# Altium PCB STM32F7_CoreBoard.PcbDoc (part 1 of 8) (continued)
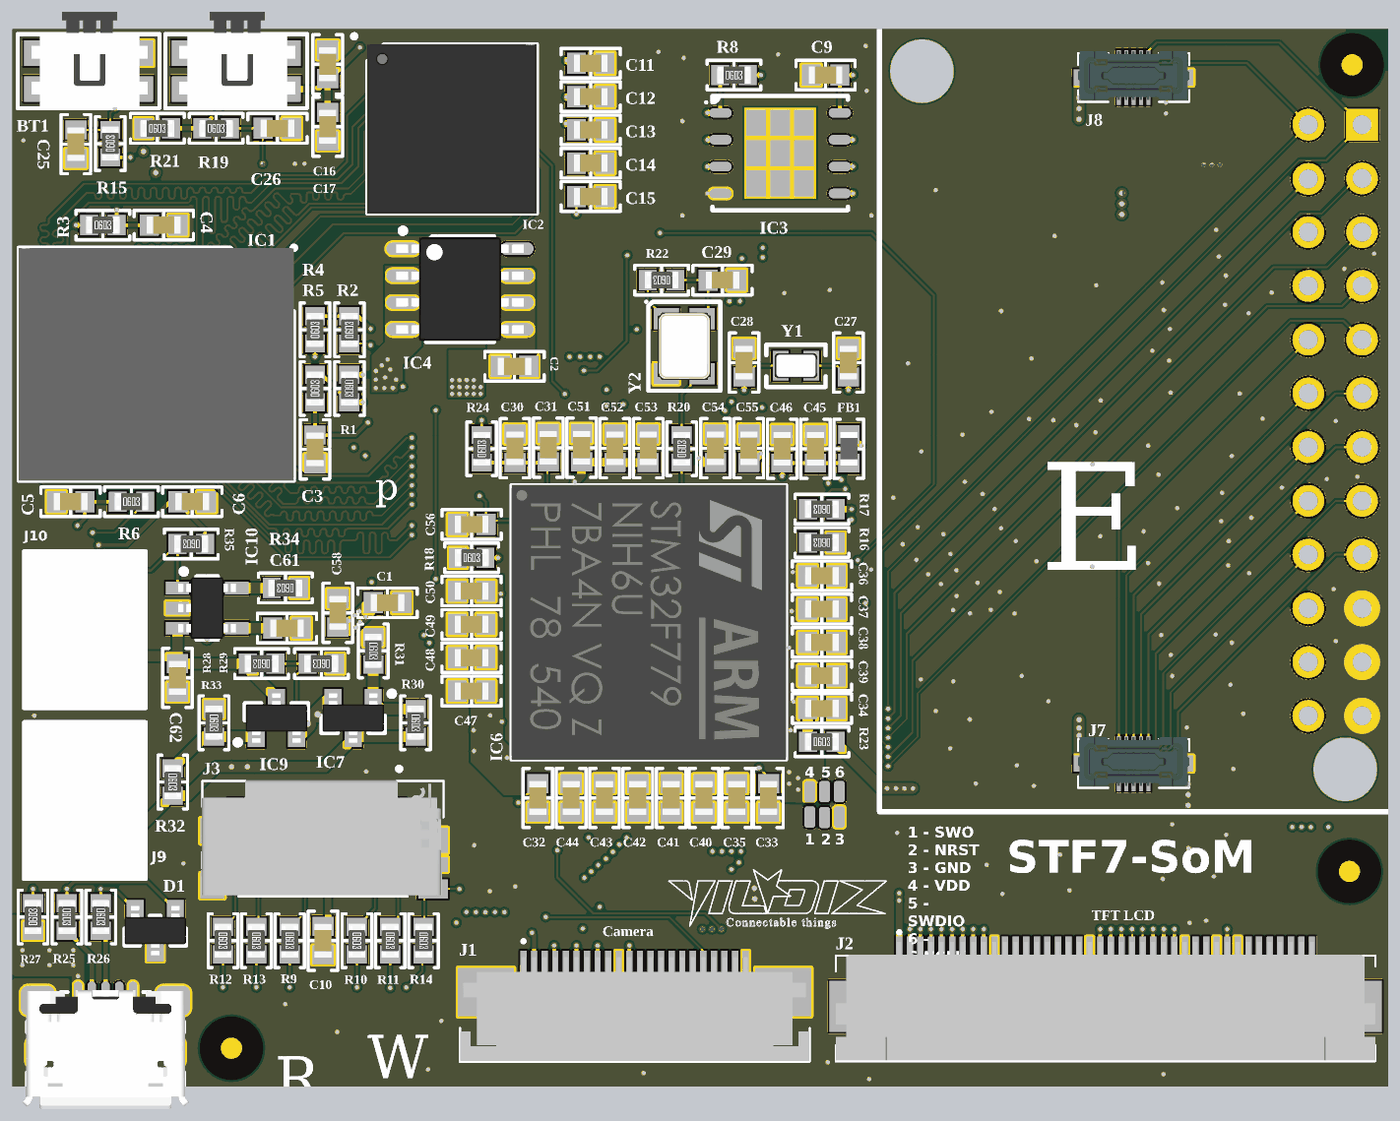
[diagram p13: 3D render of the assembled board from above, using the file's embedded part models]
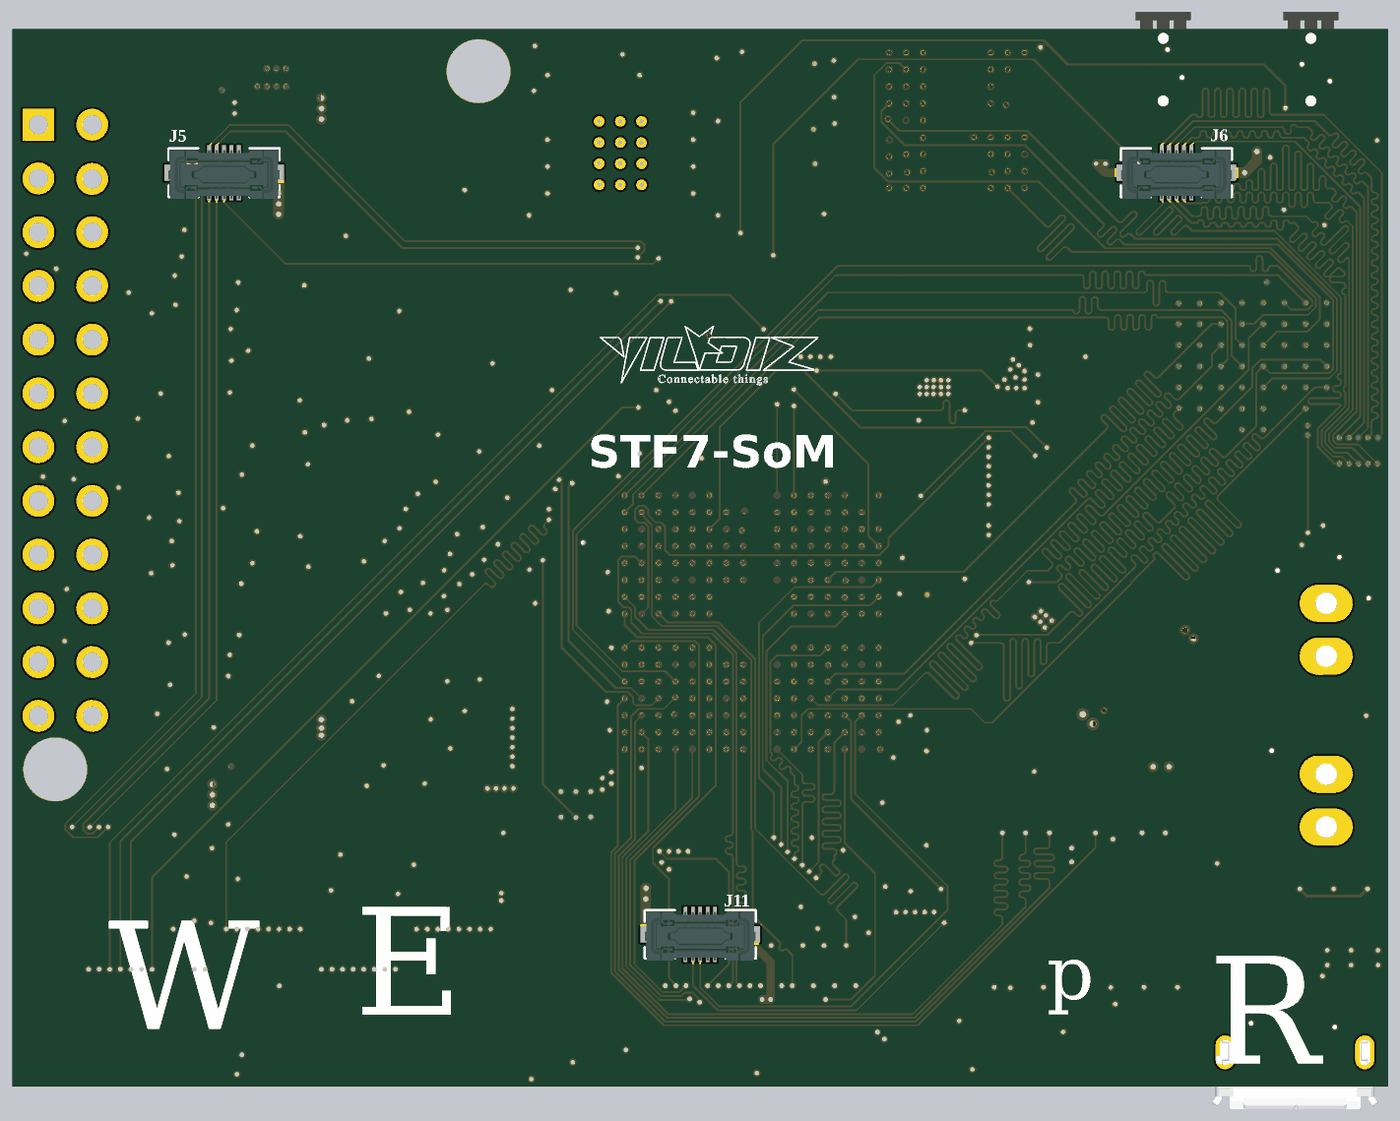
[diagram p14: 3D render of the assembled board from below, using the file's embedded part models]

## Layer stack, top to bottom
Top Solder: solder mask 0.0102, Solder Resist, Dk 3.5
L1: signal copper 0.035
Dielectric 2: prepreg 0.1, 2313, Dk 4.05
L2: signal copper 0.0175
Dielectric 4: core 0.565, Core-037, Dk 4.8
L3: signal copper 0.0175
Dielectric 1: prepreg 0.127, 2116, Dk 4.25
L4: signal copper 0.0175
Dielectric 5: core 0.565, Core-037, Dk 4.8
L5: signal copper 0.0175
Dielectric 3: prepreg 0.1, 2313, Dk 4.05
L6: signal copper 0.035
Bottom Solder: solder mask 0.0102, Solder Resist, Dk 3.5

## Board outline
0,0 65,0 65,50 0,50

## Design rules (kind name [scope] priority, off if disabled: settings)
Clearance [All] p1: gap=0.089 ignorepadtopadclearanceinfootprint=FALSE
ComponentClearance [All] p1: gap=0 collisioncheckmode=3 verticalgap=0 showdistances=FALSE
DiffPairsRouting USB_FS [InDifferentialPairClass('USB_FS')] p1: maxlimit=0.127 minlimit=0.127 mostfreqgap=0.127 toplayer_minwidth=0.146 toplayer_maxwidth=0.146 toplayer_prefwidth=0.146 midlayer1_minwidth=0.096 midlayer1_maxwidth=0.096 midlayer1_prefwidth=0.096 midlayer2_minwidth=0.108 midlayer2_maxwidth=0.108 midlayer2_prefwidth=0.108 midlayer3_minwidth=0.108 midlayer3_maxwidth=0.108 midlayer3_prefwidth=0.108 midlayer4_minwidth=0.096 midlayer4_maxwidth=0.096 midlayer4_prefwidth=0.096 bottomlayer_minwidth=0.146 bottomlayer_maxwidth=0.146 bottomlayer_prefwidth=0.146 impedanceprofiledriven=TRUE maxuncoupledlength=12.7
DiffPairsRouting [All] p2: maxlimit=0.254 minlimit=0.254 mostfreqgap=0.254 toplayer_minwidth=0.381 toplayer_maxwidth=0.381 toplayer_prefwidth=0.381 midlayer1_minwidth=0.381 midlayer1_maxwidth=0.381 midlayer1_prefwidth=0.381 midlayer2_minwidth=0.381 midlayer2_maxwidth=0.381 midlayer2_prefwidth=0.381 midlayer3_minwidth=0.381 midlayer3_maxwidth=0.381 midlayer3_prefwidth=0.381 midlayer4_minwidth=0.381 midlayer4_maxwidth=0.381 midlayer4_prefwidth=0.381 bottomlayer_minwidth=0.381 bottomlayer_maxwidth=0.381 bottomlayer_prefwidth=0.381 maxuncoupledlength=12.7
FanoutControl Fanout_BGA [IsBGA] p1: bgadir=Out bgaviamode=Centered fanoutstyle=BGA fanoutdirection=Alternating viagrid=0.025 // Fanout_BGA (Default Rule)
MatchedLengths "Schematic Matched Net Lengths_3" [InNetClass('DATA')] p1: tolerance=2.54 checknetsindiffpair=FALSE checkdiffpairvsdiffpair=TRUE checkxsignals=TRUE checkothers=TRUE
MatchedLengths "Schematic Matched Net Lengths" [InNetClass('uSD')] p2: tolerance=2.54 checknetsindiffpair=FALSE checkdiffpairvsdiffpair=TRUE checkxsignals=TRUE checkothers=TRUE
MatchedLengths "Schematic Matched Net Lengths_2" [InNetClass('DCMI')] p3: tolerance=2.54 checknetsindiffpair=FALSE checkdiffpairvsdiffpair=TRUE checkxsignals=TRUE checkothers=TRUE
MatchedLengths "Schematic Matched Net Lengths_1" [InNetClass('ETHERNET')] p4: tolerance=2.54 checknetsindiffpair=FALSE checkdiffpairvsdiffpair=TRUE checkxsignals=TRUE checkothers=TRUE
MatchedLengths LENMATCH_FLASH [InNetClass('FLASH')] p5: tolerance=2.54 checknetsindiffpair=FALSE checkdiffpairvsdiffpair=TRUE checkxsignals=TRUE checkothers=TRUE
MatchedLengths LENMATCH_MEMORY [InNetClass('ADDRESS')] p6: tolerance=2.54 checknetsindiffpair=FALSE checkdiffpairvsdiffpair=TRUE checkxsignals=TRUE checkothers=TRUE
MatchedLengths LENMATCH_USBFS [InNetClass('USB_FS')] p7: tolerance=2.54 checknetsindiffpair=TRUE checkdiffpairvsdiffpair=FALSE checkxsignals=FALSE checkothers=FALSE
MatchedLengths LENMATCH_LCD [InNetClass('LCD')] p8: tolerance=2.54 checknetsindiffpair=FALSE checkdiffpairvsdiffpair=TRUE checkxsignals=TRUE checkothers=TRUE
MatchedLengths LENMATCH_SDRAM [InNetClass('SDRAM')] p9: tolerance=2.54 checknetsindiffpair=FALSE checkdiffpairvsdiffpair=TRUE checkxsignals=TRUE checkothers=TRUE
MatchedLengths LENMATCH_QSPI [InNetClass('QSPI')] p10: tolerance=2.54 checknetsindiffpair=FALSE checkdiffpairvsdiffpair=TRUE checkxsignals=TRUE checkothers=TRUE
PlaneConnect [All] p1: planeconnectstyle=Direct reliefexpansion=0.508 reliefentries=4 reliefconductorwidth=0.254 reliefairgap=0.254
PolygonConnect [All] p1: connectstyle=Direct reliefconductorwidth=0.254 reliefentries=4 polygonreliefangle="90 Angle" airgapwidth=0.254
RoomDefinition RD_IC2 [InComponentClass('Room Definition 3')] p1: confinementstyle=ConfineIn formatcopy=TRUE lockcomponents=TRUE outline 15.55,40.075 15.55,50.4 26,50.4 26,40.075 // SDRAM
RoomDefinition RD_IC1 [InComponentClass('Room Definition 2')] p2: confinementstyle=ConfineIn formatcopy=TRUE lockcomponents=TRUE outline -2,26.45 -2,41.875 15.525,41.875 15.525,26.45 // FLASH
RoomDefinition RD_IC6 [InComponentClass('Room Definition 1')] p3: confinementstyle=ConfineIn formatcopy=TRUE lockcomponents=TRUE outline 23.075,15.075 23.075,28.725 36.8,28.725 36.8,15.075 // MCU
RoutingVias [All] p1: holewidth=0.2 width=0.35 viastyle="Through Hole" minholewidth=0.2 minwidth=0.35 maxholewidth=6.3 maxwidth=10
SolderMaskExpansion [All] p1: expansion=0.102
Width [All] p1: maxlimit=5 minlimit=0.089 preferedwidth=0.089
26 further rules are at their usual default settings.

## Classes and differential pairs
net class DATA: D0 D1 D2 D3 D4 D5 D6 D7 D8 D9 D10 D11 D12 D13 D14 D15
net class WiFi: WiFi_CTS WiFi_IRQ WiFi_MISO WiFi_MOSI WiFi_PWE WiFi_RTS WiFi_RX WiFi_SCL WiFi_TX
net class uSD: SD_CLK SD_CMD SD_D0 SD_D1 SD_D2 SD_D3 SD_DETECT
net class GSM: GSM_CTS GSM_DCD GSM_DTR GSM_PWE GSM_RI GSM_RST GSM_RTS GSM_RX GSM_TX
net class EXP: EXP_GPIO0 EXP_GPIO1 EXP_GPIO2 EXP_GPIO3 EXP_GPIO4
net class COMM: CAN_RX CAN_TX EXP_SCL EXP_SDA RS485_DE RS485_RX RS485_TX
net class ETHERNET: RMII_CRS_DV RMII_MDC RMII_MDIO RMII_REF_CLK RMII_RXD0 RMII_RXD1 RMII_RXER RMII_TX_EN RMII_TXD0 RMII_TXD1
net class SDRAM: FMC_SDCKE0 FMC_SDCLK FMC_SDNCAS FMC_SDNE0 FMC_SDNRAS FMC_SDNWE
net class FLASH: FMC_NE1 FMC_NOE FMC_NWAIT FMC_NWE
differential pair class USB_FS: USB_HS_DM
net class USB_FS: USB_HS_DM USB_HS_DM_P
component class STM32F7_BaseBoard: Fid1 Fid2 Fid3 Logo1 Logo2
net class QSPI: QSPI_CLK QSPI_D0 QSPI_D1 QSPI_D2 QSPI_D3 QSPI_NCS
net class ADDRESS: A0 A1 A2 A3 A4 A5 A6 A7 A8 A9 A10 A11 A12 A13 A14 A15 A16 A17 A18 A19 A20 A21 FMC_A22 FMC_A23 FMC_A24 FMC_A25
net class LCD: B0 B1 B2 B3 B4 B5 B6 B7 G0 G1 G2 G3 G4 G5 G6 G7 LCD_CLK LCD_HSYNC LCD_R0 LCD_R1 LCD_R2 LCD_R3 LCD_R4 LCD_R5 LCD_R6 LCD_R7 LCD_VSYNC
net class DCMI: CAMERA_LIGHT CAMERA_MISO CAMERA_MOSI CAMERA_SCL DCMI_D0 DCMI_D1 DCMI_D2 DCMI_D3 DCMI_D4 DCMI_D5 DCMI_D6 DCMI_D7 DCMI_HSYNC DCMI_NRST DCMI_PIXCK DCMI_PWREN DCMI_SCK DCMI_SDA DCMI_VSYNC
net class LCD_R[0..7]: LCD_R0 LCD_R1 LCD_R2 LCD_R3 LCD_R4 LCD_R5 LCD_R6 LCD_R7
net class G[0..7]: G0 G1 G2 G3 G4 G5 G6 G7
net class B[0..7]: B0 B1 B2 B3 B4 B5 B6 B7
net class DCMI_D[0..7]: DCMI_D0 DCMI_D1 DCMI_D2 DCMI_D3 DCMI_D4 DCMI_D5 DCMI_D6 DCMI_D7
net class D[0..15]: D0 D1 D2 D3 D4 D5 D6 D7 D8 D9 D10 D11 D12 D13 D14 D15
net class A[0..21]: A0 A1 A2 A3 A4 A5 A6 A7 A8 A9 A10 A11 A12 A13 A14 A15 A16 A17 A18 A19 A20 A21
component class U_USB: D1 R25 R26 R27 µUSB1 µUSB?
component class "U_SDRAM 1": C11 C12 C13 C14 C15 C16 C17 IC4
component class U_Connections: J5 J6 J7 J8 J11
component class U_STM32F7: BT1 BT2 C25 C26 C27 C28 C29 C30 C31 C32 C33 C34 C35 C36 C37 C38 C39 C40 C41 C42 C43 C44 C45 C46 C47 C48 C49 C50 C51 C52 C53 C54 C55 FB1 IC6 R15 R16 R17 R18 R19 R20 R21 R22 R23 R24 Y1 Y2
component class "U_SD Card": C10 J3 R9 R10 R11 R12 R13 R14
component class "U_QSPI FLASH": C9 IC3 R8
component class U_Power: C1 C2 C56 C58 C61 C62 IC2 IC7 IC9 IC10 J9 J10 R28 R29 R30 R31 R32 R33 R34 R35
component class U_LCD: J2
component class "U_Paralel NOR FLASH": C3 C4 C5 C6 IC1 R1 R2 R3 R4 R5 R6
component class U_Camera: J1
differential pair USB_HS_DM: +USB_HS_DM_P -USB_HS_DM

## Components (designator, comment, footprint, x,y, rotation, side; value= is the part's Value field where it differs from the comment)
BT1 "#NAME?" TactileButton 5.75,47.15 r180 top
BT2 "#NAME?" TactileButton 12.725,47.15 r180 top
C1 "10uF" "CAP 0603/1608" 17.725,22.875 r180 top
C2 "10uF" "CAP 0603/1608" 23.725,34.05 r180 top
C3 "100nF" "CAP 0603/1608" 14.3,30.125 r270 top
C4 "100nF" "CAP 0603/1608" 7.15,40.725 r0 top
C5 "100nF" "CAP 0603/1608" 2.75,27.65 r180 top
C6 "100nF" "CAP 0603/1608" 8.5,27.65 r0 top
C9 "100nF" "CAP 0603/1608" 38.42,47.815 r180 top
C10 "100nF" "CAP 0603/1608" 14.675,6.9 r90 top
C11 "100nF" "CAP 0603/1608" 27.325,48.375 r0 top
C12 "100nF" "CAP 0603/1608" 27.325,46.8 r0 top
C13 "100nF" "CAP 0603/1608" 27.325,45.225 r0 top
C14 "100nF" "CAP 0603/1608" 27.325,43.65 r0 top
C15 "100nF" "CAP 0603/1608" 27.325,42.075 r0 top
C16 "100nF" "CAP 0603/1608" 14.9,48.325 r90 top
C17 "100nF" "CAP 0603/1608" 14.9,45.375 r270 top
C25 "100nF" "CAP 0603/1608" 3,44.55 r90 top
C26 "100nF" "CAP 0603/1608" 12.525,45.3 r180 top
C27 "15pF" "CAP 0603/1608" 39.5,34.225 r270 top
C28 "15pF" "CAP 0603/1608" 34.573,34.225 r270 top
C29 "100nF" "CAP 0603/1608" 33.55,38.125 r180 top
C30 "1uF" "CAP 0603/1608" 23.745,30.177 r270 top
C31 "100nF" "CAP 0603/1608" 25.32,30.202 r270 top
C32 "2.2uF" "CAP 0603/1608" 24.825,13.65 r90 top
C33 "2.2uF" "CAP 0603/1608" 35.725,13.65 r90 top
C34 "4.7uF" "CAP 0603/1608" 38.25,17.875 r180 top
C35 "4.7uF" "CAP 0603/1608" 34.225,13.65 r90 top
C36 "100nF" "CAP 0603/1608" 38.25,24.15 r180 top
C37 "100nF" "CAP 0603/1608" 38.25,22.575 r180 top
C38 "100nF" "CAP 0603/1608" 38.25,21 r180 top
C39 "100nF" "CAP 0603/1608" 38.25,19.425 r180 top
C40 "100nF" "CAP 0603/1608" 32.675,13.65 r90 top
C41 "100nF" "CAP 0603/1608" 31.125,13.65 r90 top
C42 "100nF" "CAP 0603/1608" 29.55,13.65 r90 top
C43 "100nF" "CAP 0603/1608" 27.975,13.65 r90 top
C44 "100nF" "CAP 0603/1608" 26.4,13.65 r90 top
C45 "1uF" "CAP 0603/1608" 37.945,30.152 r270 top
C46 "100nF" "CAP 0603/1608" 36.37,30.152 r270 top
C47 "100nF" "CAP 0603/1608" 21.695,18.702 r0 top
C48 "100nF" "CAP 0603/1608" 21.695,20.277 r0 top
C49 "100nF" "CAP 0603/1608" 21.695,21.852 r0 top
C50 "100nF" "CAP 0603/1608" 21.695,23.427 r0 top
C51 "100nF" "CAP 0603/1608" 26.895,30.202 r270 top
C52 "100nF" "CAP 0603/1608" 28.47,30.177 r270 top
C53 "100nF" "CAP 0603/1608" 30.045,30.177 r270 top
C54 "100nF" "CAP 0603/1608" 33.22,30.177 r270 top
C55 "100nF" "CAP 0603/1608" 34.795,30.177 r270 top
C56 "10nF" "CAP 0603/1608" 21.7,26.575 r0 top
C58 "4.7uF" "CAP 0603/1608" 15.375,22.4 r270 top
C61 "10uF" "CAP 0603/1608" 12.975,21.675 r180 top
C62 "10uF" "CAP 0603/1608" 7.8,19.325 r90 top
D1 "#NAME?" "ON SEMI SOT-23-3" 6.75,7.375 r270 top
FB1 "#NAME?" "FER 0603/1608" 39.52,30.152 r90 top
Fid1 "Fiducial mark" Fiducial 63.3,48.3 r0 top
Fid2 "Fiducial mark" Fiducial 63.175,10.175 r90 top
Fid3 "Fiducial mark" Fiducial 10.35,1.82 r90 top
IC1 "#NAME?" "MICRON LBGA-64 11X13mm" 6.8,34.15 r270 top locked
IC2 "AP7362" "DIODES SO-8-EP" 21.15,37.7 r0 top
IC3 "#NAME?" "WINBOND WSON-8 6x5mm" 36.275,44.125 r0 top
IC4 "#NAME?" "MICRON VFBGA-54 8X14MM" 20.775,45.275 r0 top locked
IC6 "#NAME?" "ST TFBGA-216 13x13 0.8mm" 30.07,21.952 r270 top locked
IC7 "#NAME?" "INFINEON SOT-23-3" 16.1,17.425 r270 top
IC9 "#NAME?" "INFINEON SOT-23-3" 12.475,17.425 r90 top
IC10 "#NAME?" "MICROCHIP SOT-23-5 OT" 9.2,22.625 r0 top
J1 "#NAME?" fpc-22 29.4,5.1 r0 top locked
J2 "#NAME?" fpc-40 51.625,3.825 r180 top locked
J3 "#NAME?" "Molex - 0475710001" 14.675,11.725 r0 top locked
J5 "#NAME?" "HIROSE BM2410DS" 55,43.2 r180 bottom locked
J6 "#NAME?" "HIROSE BM2410DS" 10,43.2 r180 bottom locked
J7 "#NAME?" "HIROSE BM2410DS" 52.975,15.275 r180 top locked
J8 "#NAME?" "HIROSE BM2410DS" 52.975,47.7 r180 top locked
J9 "2 Pin" "JST XH B2B-XH-A" 2.925,13.525 r90 top
J10 "2 Pin" "JST XH B2B-XH-A" 2.925,21.6 r90 top
J11 "#NAME?" "HIROSE BM2410DS" 32.5,7.2 r180 bottom locked
Logo1 "Logo symbol" LOGO_YILDIZIOT 30.99,9.74 r0 top
Logo2 "Logo symbol" LOGO_YILDIZIOT 37.24,35.42 r180 bottom
R1 "10kR" "RES 0603/1608" 15.925,33 r270 top
R2 "10kR" "RES 0603/1608" 15.925,35.775 r90 top
R3 "10kR" "RES 0603/1608" 4.275,40.725 r0 top
R4 "10kR" "RES 0603/1608" 14.3,35.775 r90 top
R5 "10kR" "RES 0603/1608" 14.3,33 r90 top
R6 "10kR" "RES 0603/1608" 5.625,27.65 r0 top
R8 "10kR" "RES 0603/1608" 34.095,47.815 r0 top
R9 "4.7kR" "RES 0603/1608" 13.1,6.9 r270 top
R10 "4.7kR" "RES 0603/1608" 16.275,6.9 r270 top
R11 "4.7kR" "RES 0603/1608" 17.85,6.9 r270 top
R12 "4.7kR" "RES 0603/1608" 9.95,6.9 r270 top
R13 "4.7kR" "RES 0603/1608" 11.525,6.9 r270 top
R14 "10kR" "RES 0603/1608" 19.425,6.9 r270 top
R15 "10kR" "RES 0603/1608" 4.625,44.575 r90 top
R16 "10kR" "RES 0603/1608" 38.25,25.725 r180 top
R17 "10kR" "RES 0603/1608" 38.25,27.3 r180 top
R18 "10kR" "RES 0603/1608" 21.7,25 r0 top
R19 "10kR" "RES 0603/1608" 9.625,45.3 r0 top
R20 "100R" "RES 0603/1608" 31.62,30.152 r90 top
R21 "10kR" "RES 0603/1608" 6.85,45.3 r0 top
R22 "10kR" "RES 0603/1608" 30.675,38.125 r180 top
R23 "0mR" "RES 0603/1608" 38.25,16.3 r0 top
R24 "0mR" "RES 0603/1608" 22.17,30.152 r90 top
R25 "20R" "RES 0603/1608" 2.575,8.025 r270 top
R26 "20R" "RES 0603/1608" 4.175,8.025 r270 top
R27 "4.7kR" "RES 0603/1608" 0.975,8.025 r90 top
R28 "30MR" "RES 0603/1608" 11.775,20 r180 top
R29 "30MR" "RES 0603/1608" 14.6,20 r180 top
R30 "10kR" "RES 0603/1608" 19.05,17.2 r270 top
R31 "10kR" "RES 0603/1608" 17.05,20.6 r270 top
R32 "10kR" "RES 0603/1608" 7.575,14.4 r270 top
R33 "10kR" "RES 0603/1608" 9.525,17.2 r270 top
R34 "1kR" "RES 0603/1608" 12.9,23.575 r180 top
R35 "10kR" "RES 0603/1608" 8.45,25.65 r180 top
Y1 "32.768kHz" "ABRACON ABS06" 37.023,34.075 r0 top
Y2 "24MHz" "Abracon ASTX-11" 31.748,35 r270 top
µUSB1 "USB Micro" "FCI USB 10118193-0001LF" 4.4,1.675 r180 top locked

## Footprints (in the part's own frame and the unit in brackets; to place one, negate y for a bottom-side part, rotate by r counter-clockwise, add the part's x,y. Pads: shape width x height; smd on the part's side, far side on the other; paste and mask are expansions set on the pad)
"ABRACON ABS06" [mm] "Crystal, 2-Leads, Body 1.20x2.00mm, Pitch 1.50mm, IPC Medium Density"
  rect 0.75x1.4 smd: 1(-0.725,0) 2(0.725,0)
  silkscreen extent -1.4,-1 1.4,1, body extent -1.02,-0.62 1.03,0.63, height 0.6
"Abracon ASTX-11" [mm] "Crystal, 4-Leads, Body 2.50x3.20mm, Pitch 2.38mm, IPC Medium Density"
  rect 1x1.2 smd: 1(-1.3,-0.85) 2(1.3,-0.85) 3(1.3,0.85) 4(-1.3,0.85)
  silkscreen extent -2.15,-1.85 2.1,1.7, body extent -1.61,-1.26 1.61,1.26, height 0.9
"CAP 0603/1608" [mm] "Chip Capacitor, 2-Leads, Body 1.60x0.80mm, IPC Medium Density"
  rect 0.9x1 smd: 1(-0.675,0) 2(0.675,0)
  silkscreen extent -1.4,-0.7 1.4,0.7, body extent -0.8,-0.41 0.8,0.41, height 0.82
"DIODES SO-8-EP" [mm] "SOIC, 8-Leads, Body 4.90x3.90mm, Pitch 1.27mm, IPC Medium Density"
  oval 1.55x0.6 smd: 1(-2.7,1.905) 2(-2.7,0.635) 3(-2.7,-0.635) 4(-2.7,-1.905) 5(2.7,-1.905) 6(2.7,-0.635) 7(2.7,0.635) 8(2.7,1.905)
  rrect50% 2.4x5 smd: EP(0,0)
  silkscreen extent -2.82,-2.5 1.6,2.88, body extent -3.01,-2.45 3.01,2.45, height 1.5
"FCI USB 10118193-0001LF" [mm] "USB 2.0 Type B Micro"
  oval 0.4x1.35 smd: 1(1.3,-2.625) 2(0.65,-2.625) 3(0,-2.625) 4(-0.65,-2.625) 5(-1.3,-2.625)
  oval 0.9x1.6 hole 0.5 slot 1.2 at 90 deg: S(-3.3,0.05) S(3.3,0.05)
  rrect50% 1.6x1.4 smd: S(-3.2,-2.4) S(3.2,-2.4)
  rect 1.9x1.8 smd: S(-1.2,0.05) S(1.2,0.05)
  silkscreen extent -3.7,-2.8 3.7,2.8, body extent -3.93,-2.9 3.93,2.76, height 2.78
"FER 0603/1608" [mm] "Chip Ferrite, 2-Leads, Body 1.60x0.80mm, IPC Medium Density"
  rect 0.9x1 smd: 1(-0.675,0) 2(0.675,0)
  silkscreen extent -1.4,-0.7 1.4,0.7, body extent -0.8,-0.41 0.8,0.41, height 0.82
Fiducial [mm] "Electrolitic Radial Capacitor, 5mm pin space, 0.8mm Hole, 10.1mm diametre, 15.2 height"
  L1 circle w1: c0,0 r0
  L1 keep-out circle w0.01: c0,0 r1.5
fpc-22 [mm] "SFV22R-2STE1HLF"
  rect 0.3x1.4 smd: 1(-5.25,0.625) 2(-4.75,0.625) 3(-4.25,0.625) 4(-3.75,0.625) 5(-3.25,0.625) 6(-2.75,0.625) 7(-2.25,0.625) 8(-1.75,0.625) 9(-1.25,0.625) 10(-0.75,0.625) 11(-0.25,0.625) 12(0.25,0.625) 13(0.75,0.625) 14(1.25,0.625) 15(1.75,0.625) 16(2.25,0.625) 17(2.75,0.625) 18(3.25,0.625) 19(3.75,0.625) 20(4.25,0.625) 21(4.75,0.625) 22(5.25,0.625)
  rect 2.65x2.3 smd: MP1(-7.025,-0.625) MP2(7.025,-0.625)
  silkscreen extent -8.25,-3.93 8.27,1.82, body extent -8.25,-3.87 8.25,1.03, height 1.82
fpc-40 [mm] "40 way 0.5 pitch FPC Connector"
  rect 0.3x1.2 smd: 1(9.725,-2.675) 2(9.225,-2.675) 3(8.725,-2.675) 4(8.225,-2.675) 5(7.725,-2.675) 6(7.225,-2.675) 7(6.725,-2.675) 8(6.225,-2.675) 9(5.725,-2.675) 10(5.225,-2.675) 11(4.725,-2.675) 12(4.225,-2.675) 13(3.725,-2.675) 14(3.225,-2.675) 15(2.725,-2.675) 16(2.225,-2.675) 17(1.725,-2.675) 18(1.225,-2.675) 19(0.725,-2.675) 20(0.225,-2.675) 21(-0.275,-2.675) 22(-0.775,-2.675) 23(-1.275,-2.675) 24(-1.775,-2.675) 25(-2.275,-2.675) 26(-2.775,-2.675) 27(-3.275,-2.675) 28(-3.775,-2.675) 29(-4.275,-2.675) 30(-4.775,-2.675) 31(-5.275,-2.675) 32(-5.775,-2.675) 33(-6.275,-2.675) 34(-6.775,-2.675) 35(-7.275,-2.675) 36(-7.775,-2.675) 37(-8.275,-2.675) 38(-8.775,-2.675) 39(-9.275,-2.675) 40(-9.775,-2.675)
  rect 2.4x2.4 smd: MP1(11.825,0.025) MP2(-11.875,0.025)
  silkscreen extent -12.77,-3.52 12.73,2.62, body extent -12.77,-3.03 12.72,2.58, height 2
"HIROSE BM2410DS" [mm]
  rect 0.18x0.48 smd: 1(-0.7,-1.06) 2(-0.7,1.06) 3(-0.35,-1.06) 4(-0.35,1.06) 5(0,-1.06) 6(0,1.06) 7(0.35,-1.06) 8(0.35,1.06) 9(0.7,-1.06) 10(0.7,1.06)
  rect 0.49x0.76 smd: MP1(-2.58,0) MP2(2.58,0)
  silkscreen extent -2.63,-1.15 2.63,1.15, body extent -2.63,-1.24 2.62,1.06, height 0.78
"INFINEON SOT-23-3" [mm] "SOT23, 3-Leads, Body 2.90x2.40mm, Pitch 0.95mm, IPC Medium Density"
  rect 0.972x0.802 smd: 1(-0.885,0.95) 2(-0.885,-0.95) 3(0.885,0)
  silkscreen extent -1.27,-1.5 0.7,1.95, body extent -1.16,-1.45 1.16,1.45, height 1
"JST XH B2B-XH-A" [mm]
  oval 1.75x2.5 hole 1: 1(-1.25,0) 2(1.25,0)
  silkscreen extent -3.7,-3.38 3.7,2.38, body extent -3.7,-3.38 3.7,2.38, height 7
LOGO_YILDIZIOT [mm] "YýLDýZ IoT Logo"
  silkscreen extent 0.02,-2.27 10.31,0.53
"MICROCHIP SOT-23-5 OT" [mm] "SOT23, 5-Leads, Body 2.90x2.70mm, Pitch 0.95mm, IPC Medium Density"
  rect 1.1x0.6 smd: 1(-1.4,0.95) 2(-1.4,0) 3(-1.4,-0.95) 4(1.4,-0.95) 5(1.4,0.95)
  silkscreen extent -1.22,-1.5 0.5,1.85, body extent -1.36,-1.45 1.36,1.45, height 1.19
"MICRON LBGA-64 11X13mm" [mm] "64-Ball LBGA – 11mm x 13mm (Package Code: PC)"
  round 0.5 smd: A1(-3.5,3.5) A2(-2.5,3.5) A3(-1.5,3.5) A4(-0.5,3.5) A5(0.5,3.5) A6(1.5,3.5) A7(2.5,3.5) A8(3.5,3.5) B1(-3.5,2.5) B2(-2.5,2.5) B3(-1.5,2.5) B4(-0.5,2.5) B5(0.5,2.5) B6(1.5,2.5) B7(2.5,2.5) B8(3.5,2.5) C1(-3.5,1.5) C2(-2.5,1.5) C3(-1.5,1.5) C4(-0.5,1.5) C5(0.5,1.5) C6(1.5,1.5) C7(2.5,1.5) C8(3.5,1.5) D1(-3.5,0.5) D2(-2.5,0.5) D3(-1.5,0.5) D4(-0.5,0.5) D5(0.5,0.5) D6(1.5,0.5) D7(2.5,0.5) D8(3.5,0.5) E1(-3.5,-0.5) E2(-2.5,-0.5) E3(-1.5,-0.5) E4(-0.5,-0.5) E5(0.5,-0.5) E6(1.5,-0.5) E7(2.5,-0.5) E8(3.5,-0.5) F1(-3.5,-1.5) F2(-2.5,-1.5) F3(-1.5,-1.5) F4(-0.5,-1.5) F5(0.5,-1.5) F6(1.5,-1.5) F7(2.5,-1.5) F8(3.5,-1.5) G1(-3.5,-2.5) G2(-2.5,-2.5) G3(-1.5,-2.5) G4(-0.5,-2.5) G5(0.5,-2.5) G6(1.5,-2.5) G7(2.5,-2.5) G8(3.5,-2.5) H1(-3.5,-3.5) H2(-2.5,-3.5) H3(-1.5,-3.5) H4(-0.5,-3.5) H5(0.5,-3.5) H6(1.5,-3.5) H7(2.5,-3.5) H8(3.5,-3.5)
  silkscreen extent -5.6,-6.5 5.5,6.6, body extent -5.5,-6.5 5.5,6.5, height 1.4
"MICRON VFBGA-54 8X14MM" [mm] "54-Ball VFBGA \"BG/FG\" (8mm x 14mm) (x16)"
  round 0.41 smd: A1(-3.2,3.2) A2(-2.4,3.2) A3(-1.6,3.2) A7(1.6,3.2) A8(2.4,3.2) A9(3.2,3.2) B1(-3.2,2.4) B2(-2.4,2.4) B3(-1.6,2.4) B7(1.6,2.4) B8(2.4,2.4) B9(3.2,2.4) C1(-3.2,1.6) C2(-2.4,1.6) C3(-1.6,1.6) C7(1.6,1.6) C8(2.4,1.6) C9(3.2,1.6) D1(-3.2,0.8) D2(-2.4,0.8) D3(-1.6,0.8) D7(1.6,0.8) D8(2.4,0.8) D9(3.2,0.8) E1(-3.2,0) E2(-2.4,0) E3(-1.6,0) E7(1.6,0) E8(2.4,0) E9(3.2,0) F1(-3.2,-0.8) F2(-2.4,-0.8) F3(-1.6,-0.8) F7(1.6,-0.8) F8(2.4,-0.8) F9(3.2,-0.8) G1(-3.2,-1.6) G2(-2.4,-1.6) G3(-1.6,-1.6) G7(1.6,-1.6) G8(2.4,-1.6) G9(3.2,-1.6) H1(-3.2,-2.4) H2(-2.4,-2.4) H3(-1.6,-2.4) H7(1.6,-2.4) H8(2.4,-2.4) H9(3.2,-2.4) J1(-3.2,-3.2) J2(-2.4,-3.2) J3(-1.6,-3.2) J7(1.6,-3.2) J8(2.4,-3.2) J9(3.2,-3.2)
  silkscreen extent -4.72,-4 4,4.47, body extent -4,-4 4,4, height 1.1
"Molex - 0475710001" [mm] "9 (8 + 1) Position Card Connector Secure Digital - microSD™ Surface Mount, Right Angle Gold"
  rect 0.7x1 smd: 1(3.55,1.415) 2(2.45,1.415) 3(1.35,1.415) 4(0.25,1.415) 5(-0.85,1.415) 6(-1.95,1.415) 7(-3.05,1.415) 8(-4.15,1.415)
  rect 1.15x1.2 smd: G1(-5.225,0.365) G2(-5.225,-2.225)
  rect 1.4x1.2 smd: G3(5.2,-0.075)
  rect 1x0.7 smd: G4(5.4,-1.225)
  rect 1.4x0.9 smd: G5(5.2,-2.375)
  silkscreen extent -5.7,-2.73 5.7,3.4, body extent -5.77,-2.68 5.63,2.77, height 2.26
"ON SEMI SOT-23-3" [mm] "SOT23, 3-Leads, Body 2.90x2.40mm, Pitch 0.95mm, IPC Medium Density"
  rect 0.9x0.8 smd: 1(-1,0.95) 2(-1,-0.95) 3(1,0)
  silkscreen extent -0.7,-1.45 0.7,1.45, body extent -1.16,-1.45 1.16,1.45, height 1
"RES 0603/1608" [mm] "Chip Resistor, 2-Leads, Body 1.60x0.80mm, IPC Medium Density"
  rect 0.85x0.95 smd: 1(-0.65,0) 2(0.65,0)
  silkscreen extent -1.27,-0.7 1.27,0.7, body extent -0.8,-0.4 0.8,0.4, height 0.45